# Altium PCB PreRegulator.PcbDoc (part 1 of 2) (continued)
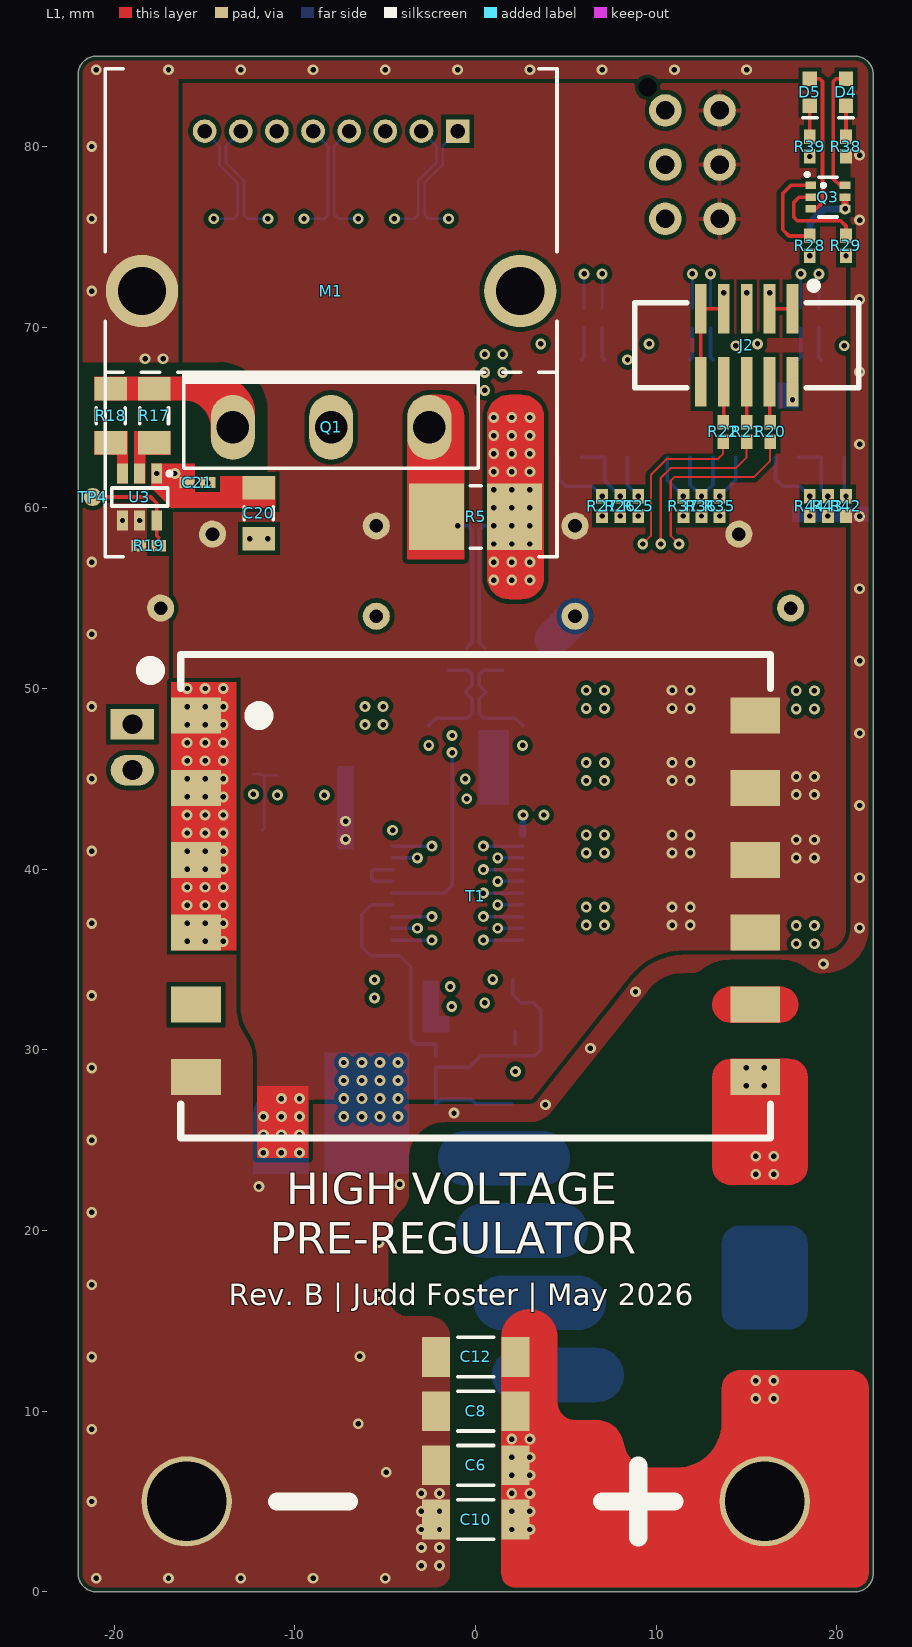
[diagram p0: L1 view]
## Components (designator, comment, footprint, x,y, rotation, side; value= is the part's Value field where it differs from the comment) (continued)
R5 "0R0025,1%,2W,2512" RALEC_PKG_2512 0,59.5 r180 top
R6 "442k,0.1%,0.125W,0805" RESC2012X07N 3,22 r270 bottom value=442k
R7 "499R,1%,0.063W,0402" RESC1005X04N 0.5,51.7 r270 bottom
R8 "442k,0.1%,0.125W,0805" RESC2012X07N 2,26 r270 bottom value=442k
R9 "10k,5%,0.063W,0402" RESC1005X04N 18.5,74.5 r90 bottom value=10k
R12 "10k,0.1%,0.063W,0402" RESC1005X04N 1.5,33.9 r0 bottom value=10k
R15 "15k4,0.1%,0.063W,0402" RESC1005X04N 2.6,47.4 r90 bottom value=15k4
R16 "15k4,0.1%,0.063W,0402" RESC1005X04N -2.6,47.4 r90 bottom value=15k4
R17 "0R0,1206" RESC3216X06N -17.8,65.1 r90 top value=0R
R18 "0R0,1206" RESC3216X06N -20.2,65.1 r90 top value=0R
R19 "1k,5%,0.063W,0402" RESC1005X04N -18.1,57.9 r0 top value=1k
R20 "10R,1%,0.063W,0402" RESC1005X04N 16.3,64.2 r270 top value=10R
R21 "10R,1%,0.063W,0402" RESC1005X04N 15,64.2 r270 top value=10R
R22 "10R,1%,0.063W,0402" RESC1005X04N 13.7,64.2 r270 top value=10R
R23 "0R0,0402" RESC1005X04N 6,70.5 r270 bottom value=0R
R24 "0R0,0402" RESC1005X04N 7,70.5 r270 bottom value=0R
R25 "10k,5%,0.063W,0402" RESC1005X04N 9,60.1 r270 top value=10k
R26 "10k,5%,0.063W,0402" RESC1005X04N 8,60.1 r270 top value=10k
R27 "10k,5%,0.063W,0402" RESC1005X04N 7,60.1 r270 top value=10k
R28 "10k,5%,0.063W,0402" RESC1005X04N 18.5,74.5 r270 top value=10k
R29 "10k,5%,0.063W,0402" RESC1005X04N 20.5,74.5 r270 top value=10k
R30 "Omit" RESC3216X06N -3,76 r0 bottom
R31 "0R0,0402" RESC1005X04N 12,70.5 r270 bottom value=0R
R32 "Omit" RESC3216X06N -8,76 r0 bottom
R33 "0R0,0402" RESC1005X04N 13,70.5 r270 bottom value=0R
R34 "Omit" RESC3216X06N -13,76 r0 bottom
R35 "10k,5%,0.063W,0402" RESC1005X04N 13.5,60.1 r270 top value=10k
R36 "10k,5%,0.063W,0402" RESC1005X04N 12.5,60.1 r270 top value=10k
R37 "10k,5%,0.063W,0402" RESC1005X04N 11.5,60.1 r270 top value=10k
R38 "330R,1%,0.063W,0402" RESC1005X04N 20.5,80 r90 top value=330R
R39 "330R,1%,0.063W,0402" RESC1005X04N 18.5,80 r90 top value=330R
R40 "0R0,0402" RESC1005X04N 18,70.5 r270 bottom value=0R
R41 "0R0,0402" RESC1005X04N 19,70.5 r270 bottom value=0R
R42 "10k,5%,0.063W,0402" RESC1005X04N 20.5,60.1 r270 top value=10k
R43 "10k,5%,0.063W,0402" RESC1005X04N 19.5,60.1 r270 top value=10k
R44 "10k,5%,0.063W,0402" RESC1005X04N 18.5,60.1 r270 top value=10k
R45 "887R,1%,0.063W,0402" RESC1005X04N -10.4,45.2 r0 bottom
R46 "10k2,1%,0.063W,0402" RESC1005X04N -12.3,44.7 r90 bottom value=10k2
T1 "GA3460-BL" COILCRAFT_GA3460-BL 0,38.5 r270 top
TP1 "Testpoint,Pad,SMD,1mm,Round" TP100 1.5,51 r270 bottom
TP2 "Testpoint,Pad,SMD,1mm,Round" TP100 -1.5,51 r270 bottom
TP3 "Testpoint,Pad,SMD,1mm,Round" TP100 -2.2,27 r90 bottom
TP4 "Testpoint,Pad,SMD,1mm,Round" TP100 -21.2,60.6 r90 top
U1 "OPA836IDBVR" TEXASINSTRUMENTS_PKG_DBV0006A 0,47.4 r0 bottom
U2 "TLV9002QDGKRQ1" SOP65P490X110-8 0,30 r180 bottom
U3 "UCC27511AQDBVRQ1" SOTFL95P260X145-6 -18.6,60.6 r270 top
U4 "THVD1420DR" TEXASINSTRUMENTS_PKG_D0008A 6.5,65.5 r90 bottom
U5 "THVD1420DR" TEXASINSTRUMENTS_PKG_D0008A 12.5,65.5 r90 bottom
U6 "THVD1420DR" TEXASINSTRUMENTS_PKG_D0008A 18.5,65.5 r90 bottom
U7 "PIC18F14Q40-I/SS" MICROCHIP_PKG_SSOP20(C04-2072B) -1,39 r180 bottom
U8 "L7805CDT-TR" STMICRO_L7805CDT-TR -8,25 r0 bottom
U9 "LM317G" UMW_PKG_SOT223-3L -9.5,39.2 r270 bottom

## Footprints (in the part's own frame and the unit in brackets; to place one, negate y for a bottom-side part, rotate by r counter-clockwise, add the part's x,y. Pads: shape width x height; smd on the part's side, far side on the other; paste and mask are expansions set on the pad)
CAPC1005X06N [mm]
  rect 0.85x0.6 smd: 1(-0.575,0) 2(0.575,0)
  body extent -0.53,-0.28 0.53,0.27, height 0.55
CAPC3216X16N [mm] "Chip Capacitor, 2-Leads, Body 3.20x1.60mm, IPC Medium Density"
  rect 1.3x1.8 smd: 1(-1.4,0) 2(1.4,0)
  silkscreen extent -0.35,-0.8 0.35,0.8, body extent -1.75,-0.95 1.75,0.95, height 1.6
CAPC_0805 [mm] "CAPC_0805"
  rect 1x1.15 smd: 1(-1,0) 2(1,0)
  silkscreen extent -0.2,-0.5 0.2,0.5, body extent -1,-0.5 1,0.5, height 1.2
CAPPR500W60D1000H1600B [mm] "CAPPR500W60D1000H1600B"
  round 1.5 hole 0.75 mask+0.05: 1(-2.5,0) 2(2.5,0)
  silkscreen extent -5,-5 5,5, body extent -5,-5 5,5, height 16
"CNC Tech_3221-10-0300-00" [mm] "CNC Tech_3221-10-0300-00"
  rect 2.76x0.65 smd mask+0.05: 1(-2.02,2.54) 2(2.02,2.54) 3(-2.02,1.27) 4(2.02,1.27) 5(-2.02,0) 6(2.02,0) 7(-2.02,-1.27) 8(2.02,-1.27) 9(-2.02,-2.54) 10(2.02,-2.54)
  silkscreen extent -3.5,-6.2 2.35,6.2, body extent -2.5,-6.35 2.5,6.35, height 5.55
COILCRAFT_GA3460-BL [mm]
  rect 2x2.75 smd: 1(-10,-15.475) 2(-6,-15.475) 3(-2,-15.475) 4(2,-15.475) 5(6,-15.475) 6(10,-15.475) 7(10,15.475) 8(6,15.475) 9(2,15.475) 10(-2,15.475) 11(-6,15.475) 12(-10,15.475)
  silkscreen extent -13.38,-18.2 13.37,16.32, body extent -13.38,-16.33 13.38,16.33, height 14.01
DIODES_SOT363 [mm] "DIODES_SOT363"
  rect 0.6x0.42 smd mask+0.05: 1(-0.95,0.65) 2(-0.95,0) 3(-0.95,-0.65) 4(0.95,-0.65) 5(0.95,0) 6(0.95,0.65)
  silkscreen extent -1.25,-1.1 0.5,1.35, body extent -1.05,-1.07 1.05,1.07, height 1.11
INDC1005X05N [mm] "Chip Inductor, 2-Leads, Body 1.00x0.50mm, IPC Medium Density"
  rect 0.57x0.64 smd: 1(-0.49,0) 2(0.49,0)
  body extent -0.5,-0.25 0.5,0.25, height 0.5
INFINEON_PKG_TO247AD [mm]
  oval 2.44x3.6 hole 1.8: 1(-5.44,0) 2(0,0) 3(5.44,0)
  silkscreen extent -8.15,-2.25 8.15,3.05, body extent -7.9,-2.29 7.9,2.72, height 25.4
JST_B8B-PH-K-S [mm]
  rect 1.308x1.308 hole 0.8: 1(7,-0.55)
  round 1.308 hole 0.8: 2(5,-0.55) 3(3,-0.55) 4(1,-0.55) 5(-1,-0.55) 6(-3,-0.55) 7(-5,-0.55) 8(-7,-0.55)
  silkscreen extent -8.95,-2.8 8.95,2.25, body extent -8.95,-2.25 8.95,2.25, height 6
KEMET_PKG_LC [mm]
  rect 1.55x2.2 smd: 1(-2.2,0) 2(2.2,0)
  silkscreen extent -1,-1.1 1,1.1, body extent -2.6,-1.1 2.6,1.1, height 2.15
KYOCERA_PKG_TAJC [mm]
  rect 2.45x2.3 smd: 1(-2.375,0) 2(2.375,0)
  silkscreen extent -3.88,-1.7 3.1,1.82, body extent -3.1,-1.7 3.1,1.7, height 2.8
LITE-ON_LTST-C190KGKT [mm] "LITE-ON_LTST-C190KGKT"
  rect 0.8x0.8 smd: A(-0.75,0) C(0.75,0)
  silkscreen extent 1.4,-0.4 1.4,0.4, body extent -0.8,-0.4 0.8,0.4, height 0.8
LITE-ON_LTST-C190KRKT [mm] "LITE-ON_LTST-C190KRKT"
  rect 0.8x0.8 smd: A(-0.75,0) C(0.75,0)
  silkscreen extent 1.4,-0.4 1.4,0.4, body extent -0.8,-0.4 0.8,0.4, height 0.8
LITTELFUSE_DO-214AB [mm] "LITTELFUSE_DO-214AB"
  rect 2.4x3.3 smd: 1(-3.3,0) 2(3.3,0)
  silkscreen extent -5,-2.95 3.98,3.5, body extent -3.97,-2.95 3.97,2.95, height 2.62
MICROCHIP_PKG_SSOP20(C04-2072B) [mm]
  rect 1.75x0.45 smd: 1(-3.6,2.925) 2(-3.6,2.275) 3(-3.6,1.625) 4(-3.6,0.975) 5(-3.6,0.325) 6(-3.6,-0.325) 7(-3.6,-0.975) 8(-3.6,-1.625) 9(-3.6,-2.275) 10(-3.6,-2.925) 11(3.6,-2.925) 12(3.6,-2.275) 13(3.6,-1.625) 14(3.6,-0.975) 15(3.6,-0.325) 16(3.6,0.325) 17(3.6,0.975) 18(3.6,1.625) 19(3.6,2.275) 20(3.6,2.925)
  silkscreen extent -5.25,-3.75 2.4,3.75, body extent -2.8,-3.75 2.8,3.75, height 2
MOLEX_2068320601 [mm] "MOLEX_2068320601"
  round 1.8 hole 1.02 mask+0.05: 1(3,-1.5) 2(0,-1.5) 3(-3,-1.5) 4(3,1.5) 5(0,1.5) 6(-3,1.5)
  round 0 hole 1.02 unplated mask+0.05: ""(-4.28,2.48)
  silkscreen extent -4.93,-3.43 4.93,4.7, body extent -4.93,-3.43 4.93,4.83, height 9.95
NEXPERIA_PKG_SOD523 [mm]
  rect 0.5x0.6 smd: 1(-0.7,0) 2(0.7,0)
  silkscreen extent -1.4,-0.43 0.2,0.43, body extent -0.63,-0.43 0.63,0.43, height 0.65
ONSEMI_SMB [mm] "ONSEMI_SMB"
  rect 2.159x2.743 smd: 1(-2.21,0) 2(2.21,0)
  silkscreen extent -3.2,-1.97 2.3,2.1, body extent -2.72,-1.78 2.72,1.78, height 2.31
RALEC_PKG_2512 [mm]
  rect 3.05x3.68 smd: 1(-2.16,0) 2(2.16,0)
  silkscreen extent -0.3,-1.73 0.3,1.73
RESC1005X04N [mm] "Chip Resistor, 2-Leads, Body 1.0x0.5mm, IPC Medium Density"
  rect 0.8x0.65 smd: 1(-0.55,0) 2(0.55,0)
  body extent -0.52,-0.27 0.53,0.28, height 0.4
RESC2012X07N [mm] "Chip Resistor, 2-Leads, Body 2.1x1.3mm, IPC Medium Density"
  rect 1.05x1.4 smd: 1(-1.025,0) 2(1.025,0)
  silkscreen extent -0.1,-0.6 0.1,0.6, body extent -1.1,-0.7 1.1,0.7, height 0.7
RESC3216X06N [mm] "Chip Resistor, 2-Leads, Body 3.2x1.6mm, IPC Medium Density"
  rect 1.3x1.8 smd: 1(-1.5,0) 2(1.5,0)
  silkscreen extent -0.45,-0.8 0.45,0.8, body extent -1.68,-0.87 1.68,0.87, height 0.65
SOP65P490X110-8 [mm] "TSOP, 8-Leads, Body 3.00x3.00mm, Pitch 0.65mm"
  rect 1.45x0.45 smd mask+0.05: 1(-2.2,0.975) 2(-2.2,0.325) 3(-2.2,-0.325) 4(-2.2,-0.975) 5(2.2,-0.975) 6(2.2,-0.325) 7(2.2,0.325) 8(2.2,0.975)
  silkscreen extent -2.32,-1.55 1.15,1.7, body extent -2.45,-1.55 2.45,1.55, height 1.1
SOTFL95P260X145-6 [mm] "SOT23, 6-Leads, Body 2.90x2.80mm, Pitch 0.95mm"
  rect 1.1x0.6 smd: 1(-1.3,0.95) 2(-1.3,0) 3(-1.3,-0.95) 4(1.3,-0.95) 5(1.3,0) 6(1.3,0.95)
  silkscreen extent -1.4,-1.55 0.5,1.75, body extent -1.5,-1.53 1.5,1.53, height 1.1
STMICRO_L7805CDT-TR [mm]
  rect 1.5x2.8 smd: 1(-2.286,0) 3(2.286,0)
  rect 6.3x6.1 smd: 2(0,6.25)
  silkscreen extent -3.1,1.9 3.1,2.8, body extent -3.3,-1.11 3.3,9.05, height 2.41
TEXASINSTRUMENTS_PKG_D0008A [mm]
  rrect16% 1.55x0.6 smd: 1(-2.7,1.905) 2(-2.7,0.635) 3(-2.7,-0.635) 4(-2.7,-1.905) 5(2.7,-1.905) 6(2.7,-0.635) 7(2.7,0.635) 8(2.7,1.905)
  silkscreen extent -2.85,-2.5 1.5,2.85, body extent -3,-2.45 3,2.45, height 1.63
TEXASINSTRUMENTS_PKG_DBV0006A [mm] "SOT23, 6-Leads, Body 2.90x2.80mm, Pitch 0.95mm"
  rect 1.1x0.6 smd: 1(-1.3,0.95) 2(-1.3,0) 3(-1.3,-0.95) 4(1.3,-0.95) 5(1.3,0) 6(1.3,0.95)
  silkscreen extent -1.4,-1.55 0.5,1.75, body extent -1.5,-1.53 1.5,1.53, height 1.1
TP100 [mm] "TP100"
  round 1 smd paste-2539.97: 1(0,0)
UMW_PKG_SOT223-3L [mm]
  rect 2.1x0.9 smd: 1(-2.95,2.3) 2(-2.95,0) 3(-2.95,-2.3)
  rect 2.1x3.3 smd: 4(2.95,0)
  silkscreen extent -3.07,-3.35 1.6,3.42, body extent -1.9,-3.35 1.9,3.35, height 1.8
WAKEFIELD_OMNI-UNI-27-25 [mm]
  round 4 hole 2.67: 1(-10.47,0) 2(10.47,0)
  silkscreen extent -12.5,-14.7 12.5,12.3, body extent -12.5,-14.5 12.5,12.5, height 50.05
WURTH_9774040360R [mm] "WURTH_9774040360R"
  round 7.4 / inner round 5 / far side round 5 hole 4.4: 0(0,0)
  body extent -3,-3 3,2.99, height 4
WURTH_61300211121 [mm]
  rect 1.7x2.4 hole 1.1 mask+0.05: 1(-1.27,0)
  oval 1.7x2.4 hole 1.1 mask+0.05: 2(1.27,0)
  silkscreen extent -3,-1.6 3,1.6, body extent -2.54,-1.27 2.54,1.27, height 8.57

## Part data
C1 C2 C3 C34: library part CAP,Alum,220uF,20%,50VDC,Radial,Thru, "220 ï¿½F 50 V Aluminum Electrolytic Capacitors Radial, Can 5000 Hrs @ 105ï¿½C", Manufacturer 1=Rubycon, Manufacturer 1 Part Number=50YXG220MEFCT810X16, Vendor 1 Part Number=1189-3771-1-ND, CreatedBy="Judd Foster", HelpURL=https://www.rubycon.co.jp/wp-content/uploads/catalog-aluminum/YXG.pdf, Part Name=CAP,Alum,220uF,20%,50VDC,Radial,Thru, Vendor 1=Digikey
C4 C5 C29 C33 C35 C36 C37 C38: library part CAP,Tant,10uF,10%,35V,2312, "10 ÂµF Molded Tantalum Capacitors 35 V 2312 (6032 Metric) 1.6Ohm", Manufacturer 1="KYOCERA AVX", Manufacturer 1 Part Number=TAJC106K035RNJ, Vendor 1 Part Number=478-1701-1-ND, CreatedBy="Judd Foster", HelpURL=https://datasheets.kyocera-avx.com/TAJ.pdf, Part Name=CAP,Tant,10uF,10%,35V,2312, Vendor 1=DigiKey
C6 C8 C10 C12: library part CAP,Cer,100nF,10%,630V,X7R,1808, "0.1 ÂµF Â±10% 630V Ceramic Capacitor X7R 1808 (4520 Metric)", Manufacturer 1=KEMET, Manufacturer 1 Part Number=C1808C104KBRAC7800, Vendor 1 Part Number=399-C1808C104KBRAC7800CT-ND, CreatedBy="Judd Foster", HelpURL=https://content.kemet.com/datasheets/KEM_C1010_X7R_HV_SMD.pdf, Part Name=CAP,Cer,100nF,10%,630V,X7R,1808, Vendor 1=DigiKey
C7 C9 C11 C13 C14 C15: library part CAP,Omit,0805, Manufacturer 1=N/A, CreatedBy="Judd Foster", HelpURL=N/A, Manufacturer 1 Part Number=N/A, Part Name=CAP,Omit,0805, Vendor 1=N/A, Vendor 1 Part Number=N/A
C16: library part CAP,Omit,0402, "Omit", Manufacturer 1=N/A, CreatedBy="Judd Foster", HelpURL=N/A, Manufacturer 1 Part Number=N/A, Part Name=CAP,Omit,0402, Vendor 1=N/A, Vendor 1 Part Number=N/A
C17 C18 C21 C22 C23 C24 C25 C27 C28 C31 C32: library part CAP,Cer,100nF,10%,25V,X7R,0402, "0.1ï¿½F ï¿½10% 25V Ceramic Capacitor X7R 0402 (1005 Metric)", Manufacturer 1="Murata Electronics", Manufacturer 1 Part Number=GRM155R71E104KE14J, Vendor 1 Part Number=490-14603-1-ND, CreatedBy="Judd Foster", HelpURL=https://search.murata.co.jp/Ceramy/image/img/A01X/G101/ENG/GRM155R71E104KE14-01.pdf, Part Name=CAP,Cer,100nF,10%,25V,X7R,0402, Vendor 1=DigiKey
C19 C20: library part CAP,Cer,10uF,50VDC,X5R,1206, "10ï¿½F ï¿½20% 50V Ceramic Capacitor X5R 1206 (3216 Metric)", Manufacturer 1="Samsung Electro-Mechanics", Manufacturer 1 Part Number=CL31A106MBHNNNE, Vendor 1 Part Number=1276-6736-1-ND, CreatedBy="Judd Foster", HelpURL=https://www.samsungsem.com/resources/file/global/support/product_catalog/MLCC.pdf, Part Name=CAP,Cer,10uF,50VDC,X5R,1206, Vendor 1=Digikey
D1 D2: library part Diode,Gen,600V,3A,SMB, "Diode 600 V 3A Surface Mount SMB", Manufacturer 1=onsemi, Vendor 1 Part Number=MURS360BT3GOSCT-ND, CreatedBy="Judd Foster", HelpURL=https://www.onsemi.com/pdf/datasheet/murs360bt3-d.pdf, Manufacturer 1 Part Number=MURS360BT3G, Part Name=Diode,Gen,600V,3A,SMB, Vendor 1=Digikey
D3: library part DIODE,TVS,495VWM,SMD, "760V Clamp 2A Ipp Tvs Diode Surface Mount DO-214AB (SMCJ)", Manufacturer 1="Littelfuse Inc.", Vendor 1 Part Number=1.5SMC550CACT-ND, CreatedBy="Judd Foster", HelpURL=https://www.littelfuse.com/~/media/electronics/datasheets/tvs_diodes/littelfuse_tvs_diode_1_5smc_datasheet.pdf.pdf, Manufacturer 1 Part Number=1.5SMC550CA, Part Name=DIODE,TVS,495VWM,SMD, Vendor 1=Digikey
D4: library part LED,Red,SMD,0603, "Red 631nm LED Indication - Discrete 2V 0603 (1608 Metric)", Manufacturer 1="Lite-On Inc.", Manufacturer 1 Part Number=LTST-C190KRKT, Vendor 1 Part Number=160-1436-1-ND, CreatedBy="Judd Foster", HelpURL=https://optoelectronics.liteon.com/upload/download/DS-22-99-0151/LTST-C190KRKT.pdf, Part Name=LED,Red,SMD,0603, Vendor 1=Digikey
D5: library part LED,Green,SMD,0603, "Green 571nm LED Indication - Discrete 2V 0603 (1608 Metric)", Manufacturer 1="Lite-On Inc.", Manufacturer 1 Part Number=LTST-C190KGKT, Vendor 1 Part Number=160-1435-1-ND, CreatedBy="Judd Foster", HelpURL=https://optoelectronics.liteon.com/upload/download/DS22-2000-074/LTST-C190KGKT.PDF, Part Name=LED,Green,SMD,0603, Vendor 1=Digikey
D6 D7: library part DIODE,Schottky,20V,1A,SOD523, "Diode 20 V 1A Surface Mount SOD-523", Manufacturer 1="Nexperia USA Inc.", Vendor 1 Part Number=1727-8539-1-ND, CreatedBy="Judd Foster", HelpURL=https://assets.nexperia.com/documents/data-sheet/PMEG2010AEB.pdf, Manufacturer 1 Part Number=PMEG2010AEBF, Part Name=DIODE,Schottky,20V,1A,SOD523, Vendor 1=DigiKey
J1: "Connector Header Through Hole 2 position 0.100\" (2.54mm)", Manufacturer 1="WÃ¼rth Elektronik", Manufacturer 1 Part Number=61300211121, Vendor 1 Part Number=732-5315-ND, CreatedBy="Judd Foster", HelpURL=https://www.we-online.com/components/products/datasheet/61300211121.pdf, Part Name="Term,Header,2 Pin,Top,2.54mm", Vendor 1=DigiKey
J2: library part "Term,Header,5x2 Pin,Shroud,1.27mm,SMD", "Connector Header Surface Mount 10 position 0.050\" (1.27mm)", Manufacturer 1="CNC Tech", Vendor 1 Part Number=1175-1735-ND, CreatedBy="Judd Foster", HelpURL=http://www.cnctech.us/pdfs/3221-XX-0300-00_.pdf, Manufacturer 1 Part Number=3221-10-0300-00, Part Name="Term,Header,5x2 Pin,Shroud,1.27mm,SMD", Vendor 1=Digikey
J3: library part "CONN,JST,8 Pin,2mm,Vert,Thru", "Connector Header Through Hole 8 position 0.079\" (2.00mm)", Manufacturer 1="JST Sales America Inc.", Vendor 1 Part Number=455-1710-ND, CreatedBy="Judd Foster", HelpURL=https://www.jst-mfg.com/product/pdf/eng/ePH.pdf, Manufacturer 1 Part Number=B8B-PH-K-S, Part Name="CONN,JST,8 Pin,2mm,Vert,Thru", Vendor 1=DigiKey
J4: library part Conn,Micro-Fit,Hdr,6Pos,Vert,Thru, "Connector Header Through Hole 6 position 0.118\" (3.00mm)", Manufacturer 1=Molex, Vendor 1 Part Number=WM26556-ND, CreatedBy="Judd Foster", HelpURL=https://www.molex.com/en-us/products/part-detail/2068320601?display=pdf, Manufacturer 1 Part Number=2068320601, Part Name=Conn,Micro-Fit,Hdr,6Pos,Vert,Thru, Vendor 1=DigiKey
J5 J6: library part Mech,Standoff,M3,4mm,SMD, "Round Standoff Threaded M3x0.5 Steel 0.157\" (4.00mm)", Manufacturer 1="Wï¿½rth Elektronik", Vendor 1 Part Number=732-5271-1-ND, CreatedBy="Judd Foster", HelpURL=https://www.we-online.com/katalog/datasheet/9774040360R.pdf, Manufacturer 1 Part Number=9774040360R, Part Name=Mech,Standoff,M3,4mm,SMD, Vendor 1=Digikey
L1 L2: library part Ferrite,470R@100MHz,0402, "470 Ohms @ 100 MHz 1 Power Line Ferrite Bead 0402 (1005 Metric) 1A 200mOhm", Manufacturer 1="Murata Electronics", Manufacturer 1 Part Number=BLM15PX471SN1D, Vendor 1 Part Number=490-10662-1-ND, CreatedBy="Judd Foster", HelpURL=https://www.murata.com/en-us/products/productdata/8796740059166/ENFA0018.pdf, Part Name=Ferrite,470R@100MHz,0402, Vendor 1=Digikey
M1: "Heat Sink TO-220, TO-247, TO-264 Aluminum Board Level, Vertical", Manufacturer 1=Wakefield-Vette, Manufacturer 1 Part Number=OMNI-UNI-27-25, Vendor 1 Part Number=345-1567-ND, CreatedBy="Judd Foster", HelpURL=https://wakefieldthermal.com/content/data_sheets/OMNIKLIP/omniKlip%20Wakefield%20Vette.pdf, Part Name=MECH,Heatsink,omniKlip,OMNI-UNI-27-25, Vendor 1=DigiKey
Q1: library part "MOSFET,N Ch,200V,50A,IRFP260MPBF", "N-Channel 200 V 50A (Tc) 300W (Tc) Through Hole TO-247AC", Manufacturer 1="Infineon Technologies", Vendor 1 Part Number=IRFP260MPBF-ND, CreatedBy="Judd Foster", HelpURL=https://www.infineon.com/dgdl/irfp260mpbf.pdf?fileId=5546d462533600a40153562894e91fe0, Manufacturer 1 Part Number=IRFP260MPBF, Part Name="MOSFET,N Ch,200V,50A,IRFP260MPBF", Vendor 1=DigiKey
Q3: library part Trans,PNP,Dual,40V,200mA,SOT363, "Bipolar (BJT) Transistor Array 2 PNP (Dual) Matched Pair 40V 200mA 250MHz 200mW Surface Mount SOT-363", Manufacturer 1="Diodes Incorporated", Vendor 1 Part Number=DMMT3906W-FDICT-ND, CreatedBy="Judd Foster", HelpURL=https://www.diodes.com/assets/Datasheets/ds30312.pdf, Manufacturer 1 Part Number=DMMT3906W-7-F, Part Name=Trans,PNP,Dual,40V,200mA,SOT363, Vendor 1=Digikey
R1 R2 R3 R6 R8: library part RES,442k,0.1%,0.125W,0805, "442 kOhms Â±0.1% 0.125W, 1/8W Chip Resistor 0805 (2012 Metric) Automotive AEC-Q200 Thin Film", Manufacturer 1="Panasonic Electronic Components", Manufacturer 1 Part Number=ERA-6AEB4423V, Vendor 1 Part Number=P442KDACT-ND, CreatedBy="Judd Foster", HelpURL=https://industrial.panasonic.com/cdbs/www-data/pdf/RDM0000/AOA0000C307.pdf, Part Name=RES,442k,0.1%,0.125W,0805, Vendor 1=DigiKey
R4 R7: library part RES,499R,1%,0.063W,0402, "62.5mW Thick Film Resistors 50V Â±100ppm/â„ƒ Â±1% 499Î© 0402 Chip Resistor - Surface Mount ROHS", Manufacturer 1=YAGEO, Manufacturer 1 Part Number=RC0402FR-07499RL, Vendor 1 Part Number=C137970, CreatedBy="Judd Foster", HelpURL=https://lcsc.com/datasheet/lcsc_datasheet_2304140030_YAGEO-RC0402FR-07499RL_C137970.pdf, Part Name=RES,499R,1%,0.063W,0402, Vendor 1=LCSC
R5: library part RES,0R0025,1%,2W,2512, "2W Â±1% 2.5mÎ© 2512 Chip Resistor - Surface Mount ROHS", Manufacturer 1=RALEC, Manufacturer 1 Part Number=C2681064, CreatedBy="Judd Foster", HelpURL=https://lcsc.com/datasheet/lcsc_datasheet_2412031558_RALEC-LR2512-22R0025F4_C2681064.pdf, Part Name=RES,0R0025,1%,2W,2512, Vendor 1=LCSC, Vendor 1 Part Number=C2681064
R9 R25 R26 R27 R28 R29 R35 R36 R37 R42 R43 R44: library part RES,10k,5%,0.063W,0402, "10 kOhms ï¿½5% 0.063W, 1/16W Chip Resistor 0402 (1005 Metric) Automotive AEC-Q200 Thick Film", Manufacturer 1="Stackpole Electronics Inc", Manufacturer 1 Part Number=RMCF0402JT10K0, Vendor 1 Part Number=RMCF0402JT10K0CT-ND, CreatedBy="Judd Foster", HelpURL=https://www.seielect.com/catalog/sei-rmcf_rmcp.pdf, Part Name=RES,10k,5%,0.063W,0402, Vendor 1=DIgikey
R12: library part RES,10k,0.1%,0.063W,0402, "10 kOhms ï¿½0.1% 0.1W, 1/10W Chip Resistor 0402 (1005 Metric) Automotive AEC-Q200 Thin Film", Manufacturer 1="Stackpole Electronics Inc", Manufacturer 1 Part Number=RNCF0402BTE10K0, Vendor 1 Part Number=RNCF0402BTE10K0CT-ND, CreatedBy="Judd Foster", HelpURL=https://www.seielect.com/catalog/sei-rncf.pdf, Part Name=RES,10k,0.1%,0.063W,0402, Vendor 1=Digikey
R15 R16: library part RES,15k4,0.1%,0.063W,0402, "15.4 kOhms Â±0.1% 0.063W, 1/16W Chip Resistor 0402 (1005 Metric) Thin Film", Manufacturer 1=YAGEO, Manufacturer 1 Part Number=RT0402BRD0715K4L, Vendor 1 Part Number=YAG4177CT-ND, CreatedBy="Judd Foster", HelpURL=https://www.yageo.com/upload/media/product/app/datasheet/rchip/pyu-rt_1-to-0.01_rohs_l.pdf, Part Name=RES,15k4,0.1%,0.063W,0402, Vendor 1=DigiKey
R17 R18: library part RES,0R0,1206, "0 Ohms Jumper Chip Resistor 1206 (3216 Metric) Automotive AEC-Q200 Thick Film", Manufacturer 1="Stackpole Electronics Inc", Manufacturer 1 Part Number=RMCF1206ZT0R00, Vendor 1 Part Number=RMCF1206ZT0R00CT-ND, CreatedBy="Judd Foster", HelpURL=https://www.seielect.com/catalog/sei-rmcf_rmcp.pdf, Part Name=RES,0R0,1206, Vendor 1=Digikey
R19: library part RES,1k,5%,0.063W,0402, "1 kOhms ï¿½5% 0.063W, 1/16W Chip Resistor 0402 (1005 Metric) Automotive AEC-Q200 Thick Film", Manufacturer 1="Stackpole Electronics Inc", Manufacturer 1 Part Number=RMCF0402JT1K00, Vendor 1 Part Number=RMCF0402JT1K00CT-ND, CreatedBy="Judd Foster", HelpURL=https://www.seielect.com/catalog/sei-rmcf_rmcp.pdf, Part Name=RES,1k,5%,0.063W,0402, Vendor 1=DIgikey
R20 R21 R22: library part RES,10R,1%,0.063W,0402, "10 Ohms ï¿½1% 0.063W, 1/16W Chip Resistor 0402 (1005 Metric) Automotive AEC-Q200 Thick Film", Manufacturer 1="Panasonic Electronic Components", Manufacturer 1 Part Number=ERJ-2RKF10R0X, Vendor 1 Part Number=P10.0LCT-ND, CreatedBy="Judd Foster", HelpURL=https://industrial.panasonic.com/cdbs/www-data/pdf/RDA0000/AOA0000C304.pdf, Part Name=RES,10R,1%,0.063W,0402, Vendor 1=Digikey
R23 R24 R31 R33 R40 R41: library part RES,0R0,0402, "0 Ohms Jumper 0.1W, 1/10W Chip Resistor 0402 (1005 Metric) Automotive AEC-Q200 Thick Film", Manufacturer 1="Panasonic Electronic Components", Manufacturer 1 Part Number=ERJ-2GE0R00X, Vendor 1 Part Number=P0.0JCT-ND, CreatedBy="Judd Foster", HelpURL=https://industrial.panasonic.com/cdbs/www-data/pdf/RDA0000/AOA0000C301.pdf, Part Name=RES,0R0,0402, Vendor 1=Digikey
R30 R32 R34: library part RES,Omit,1206, Manufacturer 1=N/A, CreatedBy="Judd Foster", HelpURL=N/A, Manufacturer 1 Part Number=N/A, Part Name=RES,Omit,1206, Vendor 1=N/A, Vendor 1 Part Number=N/A
R38 R39: library part RES,330R,1%,0.063W,0402, "330 Ohms Â±1% 0.063W, 1/16W Chip Resistor 0402 (1005 Metric) Moisture Resistant Thick Film", Manufacturer 1=YAGEO, Manufacturer 1 Part Number=RC0402FR-07330RL, Vendor 1 Part Number=311-330LRCT-ND, CreatedBy="Judd Foster", HelpURL=https://www.yageo.com/upload/media/product/products/datasheet/rchip/PYu-RC_Group_51_RoHS_L_12.pdf, Part Name=RES,330R,1%,0.063W,0402, Vendor 1=DigiKey
R45: library part RES,887R,1%,0.063W,0402, "887Î© 62.5mW 50V Â±200ppm/â„ƒ Â±1% Thick Film Resistors 0402 Chip Resistor - Surface Mount ROHS", Manufacturer 1="FH (Guangdong Fenghua Advanced Tech)", Manufacturer 1 Part Number=RC-02W8870FT, Vendor 1 Part Number=C321640, CreatedBy="Judd Foster", HelpURL=https://www.lcsc.com/datasheet/lcsc_datasheet_2411220041_FH--Guangdong-Fenghua-Advanced-Tech-RC-02W8870FT_C321640.pdf, Part Name=RES,887R,1%,0.063W,0402, Vendor 1=LCSC
R46: library part RES,10k2,1%,0.063W,0402, "10.2 kOhms Â±1% 0.063W, 1/16W Chip Resistor 0402 (1005 Metric) Moisture Resistant Thick Film", Manufacturer 1=YAGEO, Manufacturer 1 Part Number=RC0402FR-0710K2L, Vendor 1 Part Number=YAG2950CT-ND, CreatedBy="Judd Foster", HelpURL=https://www.yageo.com/upload/media/product/products/datasheet/rchip/PYu-RC_Group_51_RoHS_L_12.pdf, Part Name=RES,10k2,1%,0.063W,0402, Vendor 1=DigiKey
T1: library part XFR,Flyback,COILCRAFT_GA3460-BL, "Audio Transformers / Signal Transformers GA3460 for LT3751 500V 50A", Manufacturer 1=Coilcraft, Vendor 1 Part Number=994-GA3460-BL, CreatedBy="Judd Foster", HelpURL=https://www.mouser.ca/datasheet/2/597/ga3459-463457.pdf, Manufacturer 1 Part Number=GA3460-BL, Part Name=XFR,Flyback,COILCRAFT_GA3460-BL, Vendor 1=Mouser
TP1 TP2 TP3 TP4: library part Testpoint,Pad,SMD, "PCB Testpoint 1mm Round", Manufacturer 1=N/A, CreatedBy="Judd Foster", HelpURL=N/A, Manufacturer 1 Part Number=N/A, Part Name=Testpoint,Pad,SMD, Vendor 1=N/A, Vendor 1 Part Number=N/A
U1: "Voltage Feedback Amplifier 1 Circuit Rail-to-Rail SOT-23-6", Manufacturer 1="Texas Instruments", Vendor 1 Part Number=296-44388-1-ND, CreatedBy="Judd Foster", HelpURL=https://www.ti.com/lit/ds/symlink/opa836.pdf?HQS=dis-dk-null-digikeymode-dsf-pf-null-wwe&ts=1741112370606&ref_url=https%253A%252F%252Fwww.ti.com%252Fgeneral%252Fdocs%252Fsuppproductinfo.tsp%253FdistId%253D10%2526gotoUrl%253Dhttps%253A%252F%252Fwww.ti.com%, Manufacturer 1 Part Number=OPA836IDBVR, Part Name=OPA836IDBVR, Vendor 1=DigiKey
U2: "General Purpose Amplifier Circuit Rail-to-Rail 8-VSSOP", Manufacturer 1="Texas Instruments", Vendor 1 Part Number=296-TLV9002QDGKRQ1CT-ND, CreatedBy="Judd Foster", HelpURL=https://www.ti.com/lit/ds/symlink/tlv9001-q1.pdf?ts=1702270446565&ref_url=https%253A%252F%252Fwww.google.com%252F, Manufacturer 1 Part Number=TLV9002QDGKRQ1, Part Name=TLV9002QDGKRQ1, Vendor 1=Digikey
U3: "Gate Drivers Sngl-Ch high-Spd Low-Side Gate Driver", Manufacturer 1="Texas Instruments", Vendor 1 Part Number=595-UCC27511AQDBVRQ1, CreatedBy="Judd Foster", HelpURL=https://www.ti.com/general/docs/suppproductinfo.tsp?distId=26&gotoUrl=https://www.ti.com/lit/gpn/ucc27511a-q1, Manufacturer 1 Part Number=UCC27511AQDBVRQ1, Part Name=UCC27511AQDBVRQ1, Vendor 1=Mouser
U4 U5 U6: "1/1 Transceiver Half RS422, RS485 8-SOIC", Manufacturer 1="Texas Instruments", Vendor 1 Part Number=296-THVD1420DRCT-ND, CreatedBy="Judd Foster", HelpURL=https://www.ti.com/lit/ds/symlink/thvd1420.pdf?HQS=dis-dk-null-digikeymode-dsf-pf-null-wwe&ts=1735314435967, Manufacturer 1 Part Number=THVD1420DR, Part Name=THVD1420DR, Vendor 1=DigiKey
U7: library part PIC18F14Q40-I_SS, "PIC PICÂ® 18F Microcontroller IC 8-Bit 64MHz 16KB (16K x 8) FLASH 20-SSOP", Manufacturer 1="Microchip Technology", Vendor 1 Part Number=150-PIC18F14Q40-I/SS-ND, CreatedBy="Judd Foster", HelpURL=https://ww1.microchip.com/downloads/en/DeviceDoc/PIC18F04-05-14-15-Q40-1420-Pin-Low-Power-High-Performance-Microcontroller-With-XLP-Technology-Data-Sheet-40002236B.pdf, Manufacturer 1 Part Number=PIC18F14Q40-I/SS, Part Name=PIC18F14Q40-I_SS, Vendor 1=DigiKey
U8: "62dB@(120Hz) 1.5A Fixed 5V Positive electrode 35V DPAK Voltage Regulators - Linear, Low Drop Out (LDO) Regulators ROHS", Manufacturer 1=STMicroelectronics, Vendor 1 Part Number=C310413, CreatedBy="Judd Foster", HelpURL=https://lcsc.com/datasheet/lcsc_datasheet_2304140030_STMicroelectronics-L7805CDT-TR_C310413.pdf, Manufacturer 1 Part Number=L7805CDT-TR, Part Name=L7805CDT-TR, Vendor 1=LCSC
U9: "75dB@(120Hz) 2.2A Adjustable 1.2V~37V Positive electrode 40V SOT-223 Voltage Regulators - Linear, Low Drop Out (LDO) Regulators ROHS", Manufacturer 1="UMW(Youtai Semiconductor Co., Ltd.)", Vendor 1 Part Number=C347367, CreatedBy="Judd Foster", HelpURL=https://www.lcsc.com/datasheet/lcsc_datasheet_2411131159_UMW-Youtai-Semiconductor-Co---Ltd--LM317G_C347367.pdf, Manufacturer 1 Part Number=LM317G, Part Name=LM317G, Vendor 1=LCSC

## Via types
v1: diameter 0.6, hole 0.3, L1 to L6, tented both sides, 333 vias
v2: diameter 0.6/0.6/0/0.6/0.6/0.6 (per signal layer), hole 0.3, L1 to L6, tented both sides, 8 vias
v3: diameter 0.6/0.6/0.6/0.6/0.6/0.6 (per signal layer), hole 0.3, L1 to L6, tented both sides, 1 vias

## Nets (pads, with @x,y where several pads share a name; then routed paths per layer and width w, separated by ;. In a path a pad name is that pad's centre, name@x,y a point inside that pad or via, vN(x,y) a via of type N, cw(c..) or ccw(c..) an arc to the next point about the centre after c; other vN are vias at no path point)
#GRN: R29.2 U7.10 | length 56.8
  L3 w0.15: v1(0.425,36.075) 0.5,36 7.5,36 8.521,37.021 8.521,38.393 10.128,40 15.5,40 17,41.5 17,50.75 19,52.75 19,57.393 17.8,58.593 17.8,62.093 19,63.293 19,69.093 20.5,70.593 v1(20.5,73.95)
  L6 w0.2: v1(0.425,36.075) U7.10@2.6,36.075
#MCLR: R9.1 R22.2 R28.2 U7.4 | length 65.9
  L1 w0.12: v1(9.25,58) 9.7,58.45 9.7,61.814 10.586,62.7 13.4,62.7 13.7,63 R22.2@13.7,63.65
  L3 w0.15: v1(9.25,58) 10.5,59.25 10.5,61.2 11.505,62.205 17.205,62.205 18.5,63.5 18.5,69.3 20,70.8 20,73.2 19.25,73.95 v1(18.5,73.95)
  L4 w0.15: v1(0.425,39.975) -3.575,39.975 -3.9,40.3 -3.9,40.888 -2.863,41.925 -1.289,41.925 4,47.214 4,50.914 5.086,52 6.586,52 9.75,55.164 9.75,57.5 v1(9.25,58)
  L6 w0.2: v1(0.425,39.975) U7.4@2.6,39.975
+5V0: C22.2 C23.2 C24.2 C25.2 C28.2 C29.1 D6.2 J2.2 L1.2 L2.2 Q3.4 Q3.5 R9.2 U4.5 U5.5 U6.5 U7.1 U8.3 | length 17.6
  L1 w0.4: v1(20.45,76.55) Q3.5@20.45,77.2
  L4 w0.4: v1(17.54,65.98) 17.54,71.96 17,72.5 17,74.25 19.3,76.55 v1(20.45,76.55)
  L6 w0.4: U7.1@2.6,41.925 2.625,41.95 v1(2.625,43) ; R9.2@18.5,75.05 18.5,75.75 19.3,76.55 v1(20.45,76.55)
  other v1: -7.3,26.3 -6.3,26.3 -5.3,26.3 -4.3,26.3 -7.3,27.3 -6.3,27.3 -5.3,27.3 -4.3,27.3 -7.3,28.3 -6.3,28.3 -5.3,28.3 -4.3,28.3 -7.3,29.3 -6.3,29.3 -5.3,29.3 -4.3,29.3 -1.41,33.5 -0.49,43.9 0.5,66.5 0.5,67.5 1.5,67.5 0.5,68.5 1.5,68.5
+15V: C32.2 C33.1 D7.2 J1.2 R45.2 U9.2 U9.4
+24V: C1.1 C2.1 C3.1 C4.1 C5.1 C27.2 C31.2 C34.1 C35.1 C36.1 C37.1 C38.1 D6.1 D7.1 J4.1 J4.2 J4.3 T1.9 T1.10 T1.11 T1.12 U8.1 U9.3
  other v1: -11.75,24.3 -10.75,24.3 -9.75,24.3 -11.75,25.3 -10.75,25.3 -9.75,25.3 -11.75,26.3 -10.75,26.3 -9.75,26.3 -10.75,27.3 -9.75,27.3 10.875,36.9 11.875,36.9 10.875,37.9 11.875,37.9 17.75,40.625 18.75,40.625 10.875,40.9 11.875,40.9 17.75,41.625 18.75,41.625 -7.2,41.65 10.875,41.9 11.875,41.9 -7.2,42.65 17.75,44.125 18.75,44.125 10.875,44.9 11.875,44.9 17.75,45.125 18.75,45.125 10.875,45.9 11.875,45.9 10.875,48.9 11.875,48.9 10.875,49.9 11.875,49.9
COM: C1.2 C2.2 C3.2 C4.2 C5.2 C6.1 C8.1 C10.1 C12.1 C15.1 C17.1 C18.1 C19.1 C20.1 C21.1 C22.1 C23.1 C24.1 C25.1 C27.1 C28.1 C29.2 C31.1 C32.1 C33.2 C34.2 C35.2 C36.2 C37.2 C38.2 D3.2 J2.1 J2.3 J2.5 J2.7 J2.9 J2.10 J3.3 J3.6 J4.4 J4.5 J4.6 J6.0 M1.1 M1.2 R5.1 R7.1 R12.1 R16.1 R19.1 R25.2 R26.2 R27.2 R35.2 R36.2 R37.2 R38.1 R39.1 R42.2 R43.2 R44.2 R46.1 T1.6 U1.2 U2.4 U3.4 U3.5 U4.8 U5.8 U6.8 U7.20 U8.2 | length 15.9
  L1 w0.2: J2.10@12.46,66.98 J2.9@12.46,71.02 J2.7@13.73,71.02 ; J2.3@16.27,71.02 J2.1@17.54,71.02
  L6 w0.2: R7.1@0.5,52.25 0.2,52.55 0.2,58.8 0.4,59 v1(1,59)
  L6 w2: 4.25,52.75 C3.2@5.5,54
  other v1: -21,0.75 -17,0.75 -13,0.75 -9,0.75 -5,0.75 -3,1.45 -2,1.45 -3,2.45 -2,2.45 -3,3.45 -2,3.45 -3,4.45 -2,4.45 -21.25,5 -3,5.45 -2,5.45 -4.95,6.615 -21.25,9 -6.5,9.3 -21.25,13 -6.41,13.029 -5.35,16.462 -21.25,17 -5.35,19.341 -21.25,21 -12,22.425 -4.2,22.55 -21.25,25 -1.2,26.5 3.862,26.957 2.2,28.8 -21.25,29 6.354,30.085 -1.325,32.4 0.5,32.6 -5.6,32.875 -21.25,33 8.846,33.214 -5.6,33.875 0.95,33.9 19.25,34.75 17.75,35.875 18.75,35.875 21.25,36.75 17.75,36.875 18.75,36.875 6.125,36.9 7.125,36.9 -21.25,37 6.125,37.9 7.125,37.9 21.25,39.525 6.125,40.9 7.125,40.9 -21.25,41 6.125,41.9 7.125,41.9 -4.6,42.15 21.25,43.525 -10.975,44.1 -8.375,44.1 -12.3,44.15 6.125,44.9 7.125,44.9 -21.25,45 -0.575,45 6.125,45.9 7.125,45.9 -2.6,46.85 -1.3,47.4 21.25,47.525 -6.125,48 -5.125,48 17.75,48.875 18.75,48.875 6.125,48.9 7.125,48.9 -21.25,49 -6.125,49 -5.125,49 17.75,49.875 18.75,49.875 6.125,49.9 7.125,49.9 21.25,51.525 -21.25,53 21.25,55.525 1,56 2,56 3,56 -21.25,57 1,57 2,57 3,57 -18.65,57.9 1,58 2,58 3,58 -12.5,58.3 -11.5,58.3 2,59 3,59 -19.55,59.3 -18.6,59.3 21.25,59.525 1,60 2,60 3,60 1,61 2,61 3,61 -14.825,61.4 1,62 2,62 3,62 1,63 2,63 3,63 21.25,63.525 1,64 2,64 3,64 1,65 2,65 3,65 21.25,67.525 8.405,68.2 -18.3,68.25 -17.3,68.25 14.405,68.975 20.405,68.975 3.6,69.075 9.6,69.075 15.6,69.075 21.25,71.525 13.73,71.9 15,71.9 16.27,71.9 -21.25,72 21.25,75.925 -21.25,76 18.5,79.45 21.25,79.525 -21.25,80 -21,84.25 -17,84.25 -13,84.25 -9,84.25 -5,84.25 -1,84.25 3,84.25 7,84.25 11,84.25 15,84.25
  other v2: 7,59.55 8,59.55 9,59.55 11.5,59.55 12.5,59.55 13.5,59.55 18.5,59.55 19.5,59.55
  other v3: 3.775,43
CSN: C16.1 R7.2 R15.2 TP1.1 U1.4 | length 6.6
  L6 w0.2: TP1.1@1.5,51 0.4,51 0.2,50.8 0.2,50.175 C16.1@0.575,49.8 0.2,49.425 0.2,48.6 0.45,48.35 U1.4@1.3,48.35 2.2,48.35 R15.2@2.6,47.95
CSP: C16.2 R4.2 R16.2 TP2.1 U1.3 | length 6.6
  L6 w0.2: R16.2@-2.6,47.95 -2.2,48.35 U1.3@-1.3,48.35 -0.45,48.35 -0.2,48.6 -0.2,49.425 C16.2@-0.575,49.8 -0.2,50.175 -0.2,50.8 -0.4,51 TP2.1@-1.5,51
D1_DE: R26.1 U4.2 U4.3 U7.2 | length 31.4
  L3 w0.15: v1(0.425,41.275) 3.875,41.275 5.6,43 6.5,43 8,44.5 8,58.3 8.5,58.8 8.5,60.15 v1(8,60.65)
  L6 w0.2: v1(0.425,41.275) U7.2@2.6,41.275 ; U4.3@5.865,62.8 U4.2@7.135,62.8 7.135,61.515 v1(8,60.65)
D1_N: J3.2 R24.1 R30.1 | length 23.3
  L3 w0.15: v1(-4.5,76) -3.275,76 -3.175,76.1 -3.175,76.72 -2.545,77.35 3.17,77.35 6.675,73.845 6.675,73.275 v1(7,72.95)
  L6 w0.15: v1(-4.5,76) -3.4,76 -3.175,76.225 -3.175,78.125 -2.175,79.125 -2.175,80.025 J3.2@-3,80.85 ; R24.1@7,71.05 v1(7,72.95)
D1_P: J3.1 R23.1 R30.2 | length 22.1
  L3 w0.15: v1(-1.5,76) -2.725,76 -2.825,76.1 -2.825,76.575 -2.4,77 3.025,77 6.325,73.7 6.325,73.275 v1(6,72.95)
  L6 w0.15: v1(-1.5,76) -2.6,76 -2.825,76.225 -2.825,77.98 -1.825,78.98 -1.825,80.025 J3.1@-1,80.85 ; R23.1@6,71.05 v1(6,72.95)
D1_RX: R25.1 U4.1 U7.3 | length 29.5
  L3 w0.15: v1(1.225,40.625) 3.932,40.625 5.807,42.5 6.707,42.5 8.5,44.293 8.5,58.1 9.5,59.1 9.5,60.15 v1(9,60.65)
  L6 w0.2: v1(1.225,40.625) U7.3@2.6,40.625 ; U4.1@8.405,62.8 8.405,61.245 v1(9,60.65)